# Altium PCB MT-PowerDispatch V1.0.0.PcbDoc (part 2 of 4)
Units mm, origin at the board's own origin, x right, y up, seen from the top; angles counter-clockwise.
Board outline 253.09 x 135 mm, 2 copper layers (Top Layer, Bottom Layer); 539 components, 347 nets, 1633 pads, 620 vias.
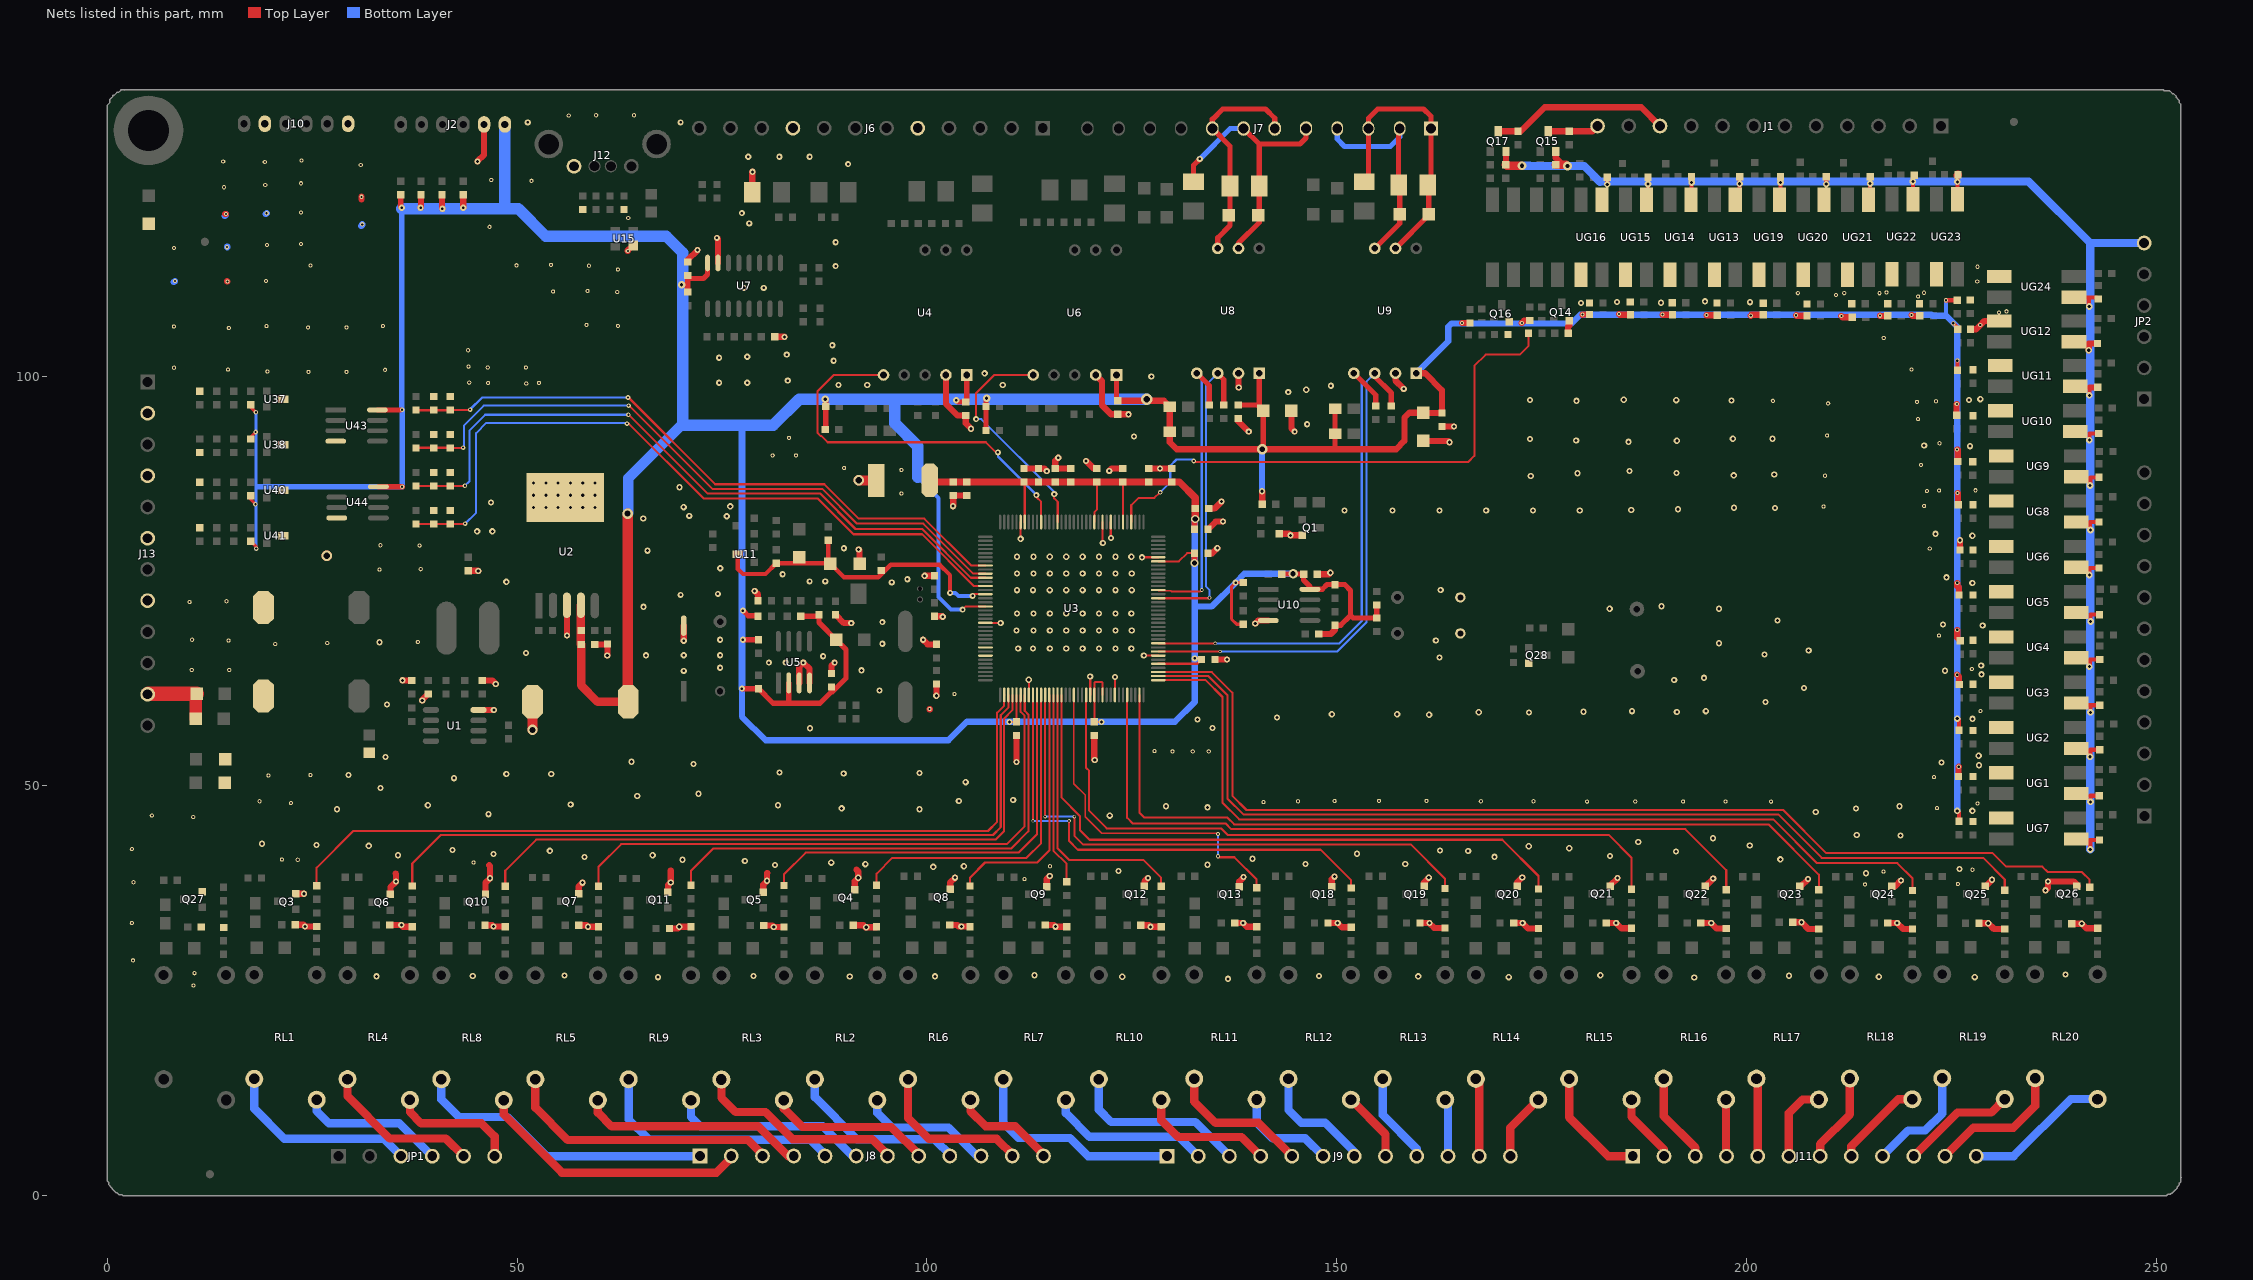
[diagram p2: the nets of this part, all layers, seen from the top]

## Via types
v1: diameter 0.762, hole 0.381, Top Layer to Bottom Layer, 340 vias
v2: diameter 0.762, hole 0.305, Top Layer to Bottom Layer, 95 vias
v3: diameter 0.508, hole 0.254, Top Layer to Bottom Layer, 48 vias
v4: diameter 0.559, hole 0.254, Top Layer to Bottom Layer, 41 vias
v5: diameter 0.406, hole 0.254, Top Layer to Bottom Layer, 24 vias
v6: diameter 0.813, hole 0.381, Top Layer to Bottom Layer, 23 vias
v7: diameter 1.27, hole 0.762, Top Layer to Bottom Layer, 9 vias
v8: diameter 0.457, hole 0.254, Top Layer to Bottom Layer, 9 vias
v9: diameter 0.508, hole 0.305, Top Layer to Bottom Layer, 6 vias
v10: diameter 0.61, hole 0.254, Top Layer to Bottom Layer, 5 vias
v11: diameter 1.016, hole 0.635, Top Layer to Bottom Layer, 3 vias
v12: diameter 0.914, hole 0.406, Top Layer to Bottom Layer, 3 vias
v13: diameter 1.067, hole 0.508, Top Layer to Bottom Layer, 2 vias
v14: diameter 0.61, hole 0.305, Top Layer to Bottom Layer, 2 vias
v15: diameter 1.27, hole 0.711, Top Layer to Bottom Layer, 2 vias
v16: diameter 1.016, hole 0.508, Top Layer to Bottom Layer, 1 vias
v17: diameter 0.559, hole 0.381, Top Layer to Bottom Layer, 1 vias
v18: diameter 0.864, hole 0.381, Top Layer to Bottom Layer, 1 vias
v19: diameter 1.321, hole 0.66, Top Layer to Bottom Layer, 1 vias
v20: diameter 1.397, hole 0.762, Top Layer to Bottom Layer, 1 vias
v21: diameter 1.143, hole 0.635, Top Layer to Bottom Layer, 1 vias
v22: diameter 1.2, hole 0.8, Top Layer to Bottom Layer, 1 vias
v23: diameter 0.92, hole 0.45, Top Layer to Bottom Layer, 1 vias

## Nets (pads, with @x,y where several pads share a name; then routed paths per layer and width w, separated by ;. In a path a pad name is that pad's centre, name@x,y a point inside that pad or via, vN(x,y) a via of type N, cw(c..) or ccw(c..) an arc to the next point about the centre after c; other vN are vias at no path point)
12VD: C61.1 C63.1 C71.2 C76.2 C77.2 C80.1 C82.1 C94.2 C97.2 C99.2 C101.2 C104.2 C114.2 C116.2 C118.2 C121.2 C132.2 C134.2 C136.2 C138.2 C150.2 C151.2 JP2.6 Q15.3 Q17.3 R179.2 R186.2 UG1.1 UG2.1 UG3.1 UG4.1 UG5.1 UG6.1 UG7.1 UG8.1 UG9.1 UG10.1 UG11.1 UG12.1 UG13.1 UG14.1 UG15.1 UG16.1 UG19.1 UG20.1 UG21.1 UG22.1 UG23.1 UG24.1 | length 210.1
  Top Layer w0.5: v6(183.02,123.419) C118.2@183.02,124.282 ; UG15.1@187.799,121.554 187.998,121.754 v6(187.998,123.469) ; UG14.1@193.217,121.554 193.312,121.649 v6(193.312,123.647) ; UG13.1@198.636,121.554 199.174,122.092 v6(199.174,123.495) C121.2@199.174,124.358 ; UG19.1@204.055,121.554 204.153,121.652 v6(204.153,123.647) ; v6(209.74,123.444) C134.2@209.74,124.358 ; UG21.1@214.893,121.554 215.1,121.761 v6(215.1,123.52) ; UG22.1@220.312,121.605 v6@220.312,123.774 ; UG23.1@225.748,121.605 v6(225.748,123.723) C150.2@225.748,124.516 ; UG24.1@239.975,109.634 241.783,109.634 ; UG3.1@240.229,60.121 240.495,59.855 241.986,59.855 ; v6(241.833,108.509) 241.783,108.56 241.783,109.634 ; v6(241.859,64.567) 241.91,64.618 241.91,65.443 C82.1@243.103,65.443 ; v6(241.859,75.743) 241.884,75.743 241.884,76.594 C99.2@243.027,76.594 ; v6(241.859,92.202) 241.808,92.202 241.859,92.253 241.859,93.002 C71.2@243.002,93.002 ; v6(241.935,53.569) 241.96,53.594 241.96,54.419 C63.1@243.103,54.419 ; v6(241.935,86.665) 241.935,86.639 241.96,86.665 241.96,87.668 C94.2@243.027,87.668 ; v6(241.96,42.24) 241.96,43.269 241.833,43.396 C104.2@243.078,43.396 ; v6(241.986,48.057) 241.986,48.679 241.91,48.755 241.96,48.806 C61.1@243.053,48.806 ; v6(241.986,58.979) 241.986,59.855 ; v6(241.986,81.229) 241.986,81.382 241.935,81.432 241.935,82.207 C77.2@243.027,82.207 ; v6(242.011,70.079) 242.011,70.904 C97.2@243.078,70.904 ; C151.2@242.926,109.436 242.727,109.634 241.783,109.634 ; C80.1@243.103,59.855 241.986,59.855
  Top Layer w0.508: v6(241.859,97.663) 241.859,98.59 241.91,98.641
  Top Layer w0.762: R186.2@170.643,125.819 170.668,125.844 Q17.3@170.668,127.406 ; Q15.3@176.739,127.406 176.739,126.644 177.564,125.819 ; v6(241.783,103.175) 241.783,104 C101.2@242.849,104 ; 241.91,98.641 C76.2@242.875,98.641
  Top Layer w1: R186.2@170.643,125.819 170.783,125.679 v13(172.618,125.679) ; R179.2@176.739,125.819 177.564,125.819 177.99,125.819 v13(178.156,125.654) ; C150.2@225.748,124.516 C150.2@225.819,124.587
  Bottom Layer w0.5: v6@187.985,123.774 187.998,123.761 v6(187.998,123.469) ; v6@241.964,48.035 v6(241.986,48.057)
  Bottom Layer w1: v13(172.618,125.679) 173.558,125.679 173.584,125.654 180.213,125.654 182.143,123.723 182.194,123.774 187.985,123.774 v6(220.32,123.774) 234.448,123.774 241.964,116.259 ; v6(241.96,42.24) 241.964,42.243 241.964,48.035 241.964,116.259 ; JP2.6@248.539,116.259 241.964,116.259
12VS: D1.1 D2.1 J13.11 | length 9.1
  Top Layer w1: D1.1@10.757,61.138 D1.1@10.884,61.265
  Top Layer w1.5: J13.11@4.902,61.189 J13.11@4.978,61.265 ; D2.1@10.757,58.217 D1.1@10.757,61.138
  Top Layer w1.8: J13.11@4.978,61.265 D1.1@10.884,61.265
485_CON1: U3.134 U4.5 | length 47.6
  Top Layer w0.254: U4.5@94.697,100.159 88.652,100.159 86.645,98.152 86.645,93.088 87.004,92.729 87.101,92.729 87.884,91.946 107.177,91.946 108.413,90.71 v2(108.667,90.71) ; v2(113.366,85.503) 113.366,85.249 113.934,84.681 U3.134@113.934,82.21
  Bottom Layer w0.254: v2(108.667,90.71) 108.667,90.202 v2(113.366,85.503)
485_CON2: U3.130 U6.5 | length 28.5
  Top Layer w0.254: v2(106,94.774) 106,97.949 108.21,100.159 U6.5@112.968,100.159 ; v2(115.525,85.63) 115.525,85.111 115.964,84.672 115.964,82.24 U3.130@115.934,82.21
  Bottom Layer w0.254: v2(106,94.774) 106.635,94.774 115.779,85.63 v2(115.525,85.63)
A1: J9.6 RL11.4 | length 12.6
  Bottom Layer w1.016: RL11.4@140.239,11.741 140.239,8.966 142.195,7.01 146.157,7.01 J9.6@148.342,4.826
A2: J9.8 RL12.4 | length 8.6
  Top Layer w1.016: RL12.4@151.745,11.716 155.962,7.5 J9.8@155.962,4.826
A3: J9.10 RL13.4 | length 7
  Bottom Layer w1.016: RL13.4@163.251,11.716 163.582,11.386 J9.10@163.582,4.826
A4: J9.12 RL14.4 | length 8.3
  Top Layer w1.016: J9.12@171.202,4.826 171.202,8.312 RL14.4@174.605,11.716
A5: J11.2 RL15.4 | length 8.5
  Top Layer w1.016: RL15.4@185.984,11.716 185.984,9.627 189.947,5.664 J11.2@189.947,4.826
A6: J11.4 RL16.4 | length 6.9
  Top Layer w1.016: J11.4@197.516,4.877 RL16.4@197.516,11.741
A7: J11.6 RL17.4 | length 9.6
  Top Layer w1.016: J11.6@205.187,4.826 205.187,10.084 206.844,11.741 RL17.4@208.844,11.741
A8: J11.8 RL18.4 | length 11
  Top Layer w1.016: J11.8@212.807,4.826 212.807,6.045 218.528,11.767 RL18.4@220.249,11.767
A9: J11.10 RL19.4 | length 14
  Top Layer w1.016: J11.10@220.427,4.826 225.761,10.16 229.894,10.16 RL19.4@231.527,11.792
A10: J11.12 RL20.4 | length 17.7
  Bottom Layer w1.016: J11.12@228.047,4.826 232.619,4.826 239.585,11.792 RL20.4@242.855,11.792
A12-RL: JP1.4 RL1.4 | length 17.8
  Bottom Layer w1.016: RL1.4@25.533,11.716 25.533,10.338 27.031,8.839 35.616,8.839 JP1.4@39.63,4.826
A12-switch: R77.1 U3.38 | length 103.4
  Top Layer w0.254: R77.1@25.533,37.814 25.533,40.03 30.003,44.501 107.448,44.501 108.565,45.618 108.565,58.953 109.416,59.804 109.416,61.092 U3.38@109.434,61.11
A24-RL: JP1.6 RL4.4 | length 15.5
  Top Layer w1.016: RL4.4@36.909,11.691 36.909,10.214 38.283,8.839 45.649,8.839 47.25,7.239 JP1.6@47.25,4.826
A24-switch: R80.1 U3.39 | length 92.9
  Top Layer w0.254: R80.1@37.191,37.789 37.191,40.538 40.671,44.018 108.057,44.018 109.01,44.971 109.01,58.636 109.934,59.56 U3.39@109.934,61.11
AAC-RL: J8.2 RL8.4 | length 33.5
  Top Layer w1.016: RL8.4@48.362,11.665 48.362,9.912 55.454,2.819 74.326,2.819 J8.2@76.333,4.826
AAC-switch: R102.1 U3.40 | length 81.8
  Top Layer w0.254: R102.1@48.545,37.764 48.545,39.675 52.33,43.459 108.362,43.459 109.416,44.514 109.416,58.229 110.434,59.247 U3.40@110.434,61.11
ADC1-RL: J8.4 RL5.4 | length 27.8
  Top Layer w1.016: RL5.4@59.84,11.665 59.84,10.143 61.524,8.458 79.431,8.458 83.064,4.826 J8.4@83.953,4.826
ADC1-switch: R98.1 U3.42 | length 72.6
  Top Layer w0.254: R98.1@59.924,37.764 59.924,40.132 62.693,42.901 109.734,42.901 111.918,45.085 111.918,58.572 111.434,59.057 U3.42@111.434,61.11
ADC2-switch: R123.1 U3.43 | length 61.7
  Top Layer w0.254: R123.1@71.202,37.891 71.202,39.624 73.945,42.367 110.267,42.367 112.375,44.475 112.375,58.725 111.934,59.166 U3.43@111.934,61.11
ADC2_RL: J8.6 RL9.4 | length 24.4
  Bottom Layer w1.016: RL9.4@71.216,11.665 71.216,9.612 72.37,8.458 87.305,8.458 90.938,4.826 J8.6@91.573,4.826
ADC_CC1: U3.30
ADC_CC2: U3.28
ADD1: R68.1 U3.55 | length 42.1
  Top Layer w0.203: U3.55@117.934,61.11 117.934,50.265 119.304,48.895 119.304,46.253 121.323,44.234 135.42,44.234 135.509,44.145 v3(135.534,44.145)
  Top Layer w0.254: v3(135.534,41.427) 135.56,41.427 135.681,41.306 137.516,41.306 140.239,38.583 R68.1@140.239,37.579
  Bottom Layer w0.254: v3(135.534,41.427) v3(135.534,44.145)
ADD2: R70.1 U3.45 | length 59.6
  Top Layer w0.254: v5(112.934,45.745) 112.934,58.445 U3.45@112.934,61.11 ; v5(117.354,45.745) 117.354,43.282 118.42,42.215 148.037,42.215 151.771,38.481 R70.1@151.771,37.554
  Bottom Layer w0.254: v5(112.934,45.745) v5(117.354,45.745)
ADD3: R69.1 U3.48 | length 69.4
  Top Layer w0.254: v5(114.433,46.253) U3.48@114.434,61.11 ; v5(117.989,46.253) 117.989,43.917 119.03,42.875 159.035,42.875 163.226,38.684 R69.1@163.226,37.478
  Bottom Layer w0.254: v5(114.433,46.253) v5(117.989,46.253)
ADD4: R133.1 U3.52 | length 77.3
  Top Layer w0.254: U3.52@116.434,61.11 116.434,48.57 118.674,46.33 118.674,44.602 119.843,43.434 170.211,43.434 174.631,39.014 R133.1@174.631,37.427
ADD5: R144.1 U3.58 | length 86.7
  Top Layer w0.254: U3.58@119.434,61.11 119.434,52.194 119.786,51.841 119.786,46.99 121.945,44.831 135.89,44.831 136.677,44.044 183.19,44.044 185.984,41.25 R144.1@185.984,37.401
ADD6: R146.1 U3.68 | length 93.1
  Top Layer w0.254: U3.68@124.434,61.11 124.434,46.107 125.126,45.415 136.449,45.415 137.135,44.729 192.538,44.729 197.541,39.726 R146.1@197.541,37.351
ADD7: R149.1 U3.71 | length 102.3
  Top Layer w0.254: U3.71@125.934,61.11 125.934,46.741 126.546,46.129 136.675,46.129 137.49,45.314 202.698,45.314 208.844,39.167 R149.1@208.844,37.325
ADD8: R156.1 U3.73 | length 111.1
  Top Layer w0.254: U3.73@128.234,62.91 134.016,62.91 136.073,60.853 136.073,47.955 138.105,45.923 203.282,45.923 208.616,40.589 218.42,40.589 220.274,38.735 R156.1@220.274,37.249
ADD9: R159.1 U3.74 | length 122.3
  Top Layer w0.254: U3.74@128.234,63.41 134.36,63.41 136.683,61.087 136.683,48.463 138.613,46.533 203.891,46.533 209.2,41.224 228.885,41.224 231.527,38.583 R159.1@231.527,37.274
ADD10: R162.1 U3.75 | length 132.4
  Top Layer w0.254: U3.75@128.234,63.91 128.242,63.902 134.757,63.902 137.267,61.392 137.267,48.793 138.994,47.066 204.501,47.066 209.759,41.808 230.053,41.808 231.704,40.157 236.118,40.157 236.779,39.497 240.944,39.497 241.884,38.557 R162.1@241.884,37.655
AGND: C42.2 C43.2 C44.2 L4.1 R58.1 U3.15 U11.2 | length 40.1
  Top Layer w0.254: v2(105.568,73.184) 105.568,73.387 105.591,73.41 U3.15@107.134,73.41
  Top Layer w0.508: U11.2@76.917,78.264 76.917,76.486 77.552,75.851 80.282,75.851 R58.1@81.616,77.184 L4.1@88.156,77.184 ; C42.2@87.839,79.978 C42.2@87.966,79.978 87.966,77.375 L4.1@88.156,77.184 ; v2(102.825,73.565) 102.825,75.724 101.555,76.994 95.586,76.994 94.062,75.47 89.871,75.47 L4.1@88.22,77.121 L4.1@88.156,77.184
  Bottom Layer w0.508: v2(102.825,73.565) 103.46,73.565 103.841,73.184 v2@105.492,73.184
B12-switch: R78.1 U3.46 | length 51.3
  Top Layer w0.254: R78.1@82.556,37.865 82.556,39.218 85.197,41.859 111.181,41.859 113.434,44.112 U3.46@113.434,61.11
B12_RL: J8.8 RL3.4 | length 20.1
  Top Layer w1.016: RL3.4@82.541,11.64 82.541,10.631 84.791,8.382 95.637,8.382 J8.8@99.193,4.826
B24-RL: J8.10 RL2.4 | length 16.6
  Bottom Layer w1.016: RL2.4@93.943,11.665 93.943,10.101 95.713,8.331 102.622,8.331 106.127,4.826 J8.10@106.813,4.826
B24-switch: R79.1 U3.47 | length 41.1
  Top Layer w0.254: R79.1@93.859,37.891 93.859,39.294 95.789,41.224 112.147,41.224 113.934,43.011 U3.47@113.934,61.11
BAC-switch: R99.1 U3.49 | length 31.1
  Top Layer w0.254: R99.1@105.263,37.789 105.263,38.837 107.092,40.665 113.467,40.665 114.934,42.132 U3.49@114.934,61.11
BAC_RL: J8.12 RL6.4 | length 12.8
  Top Layer w1.016: RL6.4@105.32,11.691 105.32,10.307 107.143,8.484 110.775,8.484 J8.12@114.433,4.826
BDC1-RL: J9.2 RL7.4 | length 19.9
  Bottom Layer w1.016: RL7.4@116.95,11.691 116.95,10.081 119.843,7.188 130.739,7.188 J9.2@133.102,4.826
BDC1-switch: R100.1 U3.50 | length 23.5
  Top Layer w0.254: U3.50@115.434,61.11 115.434,42.103 117.049,40.488 R100.1@117.049,38.297
BDC2-switch: R124.1 U3.51 | length 33.9
  Top Layer w0.254: U3.51@115.934,61.11 115.934,42.415 117.404,40.945 126.447,40.945 128.58,38.811 R124.1@128.58,37.764
BDC2_RL: J9.4 RL10.4 | length 16.4
  Top Layer w1.016: RL10.4@128.606,11.691 128.606,9.195 130.638,7.163 138.385,7.163 J9.4@140.722,4.826
CAN_RD1: R56.2 U3.82 U9.4 | length 61.7
  Top Layer w0.254: U3.82@128.234,67.41 v5@135.183,67.41
  Top Layer w0.635: U9.4@152.101,100.362 154.768,97.695 R56.2@154.768,96.361
  Bottom Layer w0.254: v5(135.184,67.412) 150.348,67.412 153.066,70.129 153.066,99.397 U9.4@152.101,100.362
CAN_RD2: R41.2 U3.95 U8.4 | length 36.6
  Top Layer w0.2: U3.95@128.234,73.91 128.303,73.841 129.74,73.841 129.845,73.736 133.356,73.736 v8@133.529,73.91
  Top Layer w0.635: U8.4@132.941,100.362 134.448,98.855 R41.2@134.448,96.488
  Bottom Layer w0.254: U8.4@132.941,100.362 133.533,99.769 v8(133.533,73.914)
CAN_TD1: R51.2 U3.80 U9.3 | length 62.5
  Top Layer w0.254: U3.80@128.234,66.41 v5(135.781,66.41)
  Top Layer w0.635: U9.3@154.641,100.362 154.641,99.981 156.673,97.949 R51.2@156.673,96.361
  Bottom Layer w0.254: v5(135.781,66.41) 150.083,66.41 153.625,69.952 153.625,99.346 U9.3@154.641,100.362
CAN_TD2: R38.2 U3.93 U8.3 | length 38.6
  Top Layer w0.254: U3.93@128.234,72.91 134.403,72.91 v8(134.468,72.974)
  Top Layer w0.635: U8.3@135.481,100.362 136.226,99.617 R38.2@136.226,96.488
  Bottom Layer w0.254: v8(134.468,72.974) 134.468,73.939 134.041,74.366 134.041,98.923 U8.3@135.481,100.362
CANH1: J7.6 J7.8 R39.2 TVS7.1 U8.6 | length 27.1
  Top Layer w0.635: U8.6@135.481,115.602 135.481,116.889 136.988,118.396 TVS7.1@136.988,123.222 136.988,128.075 J7.8@134.829,130.234 134.829,131.35 136.099,132.62 141.306,132.62 142.449,131.477 J7.6@142.449,130.234
CANH2: J7.2 J7.4 R53.2 TVS11.1 U9.6 | length 26.8
  Top Layer w0.635: U9.6@154.641,115.602 157.689,118.65 R53.2@157.689,119.793 157.689,123.226 TVS11.1@157.56,123.355 157.56,130.105 J7.2@157.689,130.234
  Bottom Layer w0.635: J7.4@150.069,130.234 150.069,128.937 150.958,128.048 156.546,128.048 157.689,129.191 J7.2@157.689,130.234
CANL1: J7.5 J7.7 R39.1 TVS5.2 TVS7.2 U8.7 | length 33.6
  Top Layer w0.635: TVS5.2@132.536,123.728 132.536,125.756 v2(133.305,126.524) ; U8.7@138.021,115.602 138.021,116.254 140.544,118.777 TVS7.2@140.544,123.222 140.544,128.329 ; J7.7@138.639,130.234 140.544,128.329 ; J7.5@146.259,130.234 146.259,129.064 145.524,128.329 140.544,128.329
  Bottom Layer w0.635: v2(133.305,126.524) 137.015,130.234 J7.7@138.639,130.234
CANL2: J7.1 J7.3 R53.1 TVS10.2 TVS11.2 U9.7 | length 34.5
  Top Layer w0.635: TVS10.2@153.358,123.726 153.364,123.728 153.879,124.242 J7.3@153.879,130.234 153.879,131.477 155.022,132.62 160.61,132.62 161.499,131.731 J7.1@161.499,130.234 161.499,123.739 TVS11.2@161.116,123.355 161.245,123.226 R53.1@161.245,119.793 161.245,119.666 U9.7@157.181,115.602
CON-C: C141.2 R199.1 R200.2 U3.8 | length 78.6
  Top Layer w0.254: C141.2@41.834,95.872 44.183,95.872 v4(44.247,95.936) ; v4(63.525,97.409) 63.576,97.409 74.168,86.817 87.478,86.817 91.669,82.626 99.695,82.626 105.411,76.91 U3.8@107.134,76.91
  Top Layer w0.3: R199.1@37.643,95.872 C141.2@41.834,95.872
  Bottom Layer w0.254: v4(44.247,95.936) 45.72,97.409 v4(63.525,97.409)
CON-D: C143.2 R204.1 R205.2 U3.10 | length 81.7
  Top Layer w0.254: C143.2@41.834,91.249 43.37,91.249 v4(43.409,91.288) ; v4(63.602,96.418) 63.652,96.418 73.812,86.258 87.224,86.258 91.465,82.017 99.556,82.017 105.663,75.91 U3.10@107.134,75.91
  Top Layer w0.3: R204.1@37.643,91.249 R205.2@39.827,91.249 C143.2@41.834,91.249
  Bottom Layer w0.254: v4(43.409,91.288) 43.485,91.364 43.485,93.98 45.923,96.418 v4(63.602,96.418)
CON-E: C144.2 R209.1 R210.2 U3.11 | length 84.9
  Top Layer w0.254: R209.1@37.643,86.61 R210.2@39.827,86.61 43.582,86.61 v4(43.612,86.639) ; v4(63.576,95.301) 63.602,95.301 73.203,85.7 86.944,85.7 91.288,81.356 99.416,81.356 105.362,75.41 U3.11@107.134,75.41
  Bottom Layer w0.254: v4(43.612,86.639) 44.196,87.224 44.196,93.396 46.101,95.301 v4(63.576,95.301)
CON-F: C145.2 R214.1 R215.2 U3.13 | length 88.5
  Top Layer w0.254: R214.1@37.643,81.978 R215.2@39.827,81.978 43.421,81.978 43.459,82.017 v4(43.637,82.017) ; v4(63.398,94.209) 63.627,94.209 72.733,85.103 86.652,85.103 91.034,80.721 99.416,80.721 105.727,74.41 U3.13@107.134,74.41
  Bottom Layer w0.254: v4(43.637,82.017) 44.983,83.363 44.983,93.066 46.228,94.31 63.297,94.31 v4(63.398,94.209)
DC12V-1: JP1.3 RL1.3 | length 23.9
  Bottom Layer w1.016: RL1.3@17.913,14.256 17.913,10.617 21.57,6.96 33.686,6.96 JP1.3@35.82,4.826
DC12V-2: JP1.5 RL4.3 | length 19.3
  Top Layer w1.016: RL4.3@29.289,14.231 29.289,12.141 34.445,6.985 41.281,6.985 JP1.5@43.44,4.826
DC12V-3: J8.1 RL8.3 | length 37.1
  Bottom Layer w1.016: RL8.3@40.742,14.205 40.742,11.74 42.881,9.601 48.799,9.601 53.574,4.826 J8.1@72.523,4.826
DC12V-4: J8.3 RL5.3 | length 33.8
  Top Layer w1.016: RL5.3@52.22,14.205 52.22,10.753 56.165,6.807 78.161,6.807 J8.3@80.143,4.826
DC12V-5: J8.5 RL9.3 | length 30.9
  Bottom Layer w1.016: RL9.3@63.596,14.205 63.596,9.308 66.071,6.833 85.756,6.833 J8.5@87.763,4.826
DC12V-6: J8.7 RL3.3 | length 25.6
  Top Layer w1.016: RL3.3@74.921,14.18 74.921,11.952 76.663,10.211 80.295,10.211 83.597,6.909 93.3,6.909 J8.7@95.383,4.826
DC12V-7: J8.9 RL2.3 | length 21.8
  Bottom Layer w1.016: RL2.3@86.323,14.205 86.323,12.031 91.471,6.883 100.945,6.883 J8.9@103.003,4.826
DC12V-8: J8.11 RL6.3 | length 19.6
  Top Layer w1.016: RL6.3@97.7,14.231 97.7,9.469 100.234,6.934 108.514,6.934 J8.11@110.623,4.826
DC12V-9: J9.1 RL7.3 | length 27
  Bottom Layer w1.016: RL7.3@109.33,14.231 109.33,8.862 111.156,7.036 117.455,7.036 119.665,4.826 J9.1@129.292,4.826
DC12V-10: J9.3 RL10.3 | length 22
  Bottom Layer w1.016: RL10.3@120.986,14.231 120.986,10.49 122.484,8.992 132.746,8.992 J9.3@136.912,4.826
DC12V-11: J9.5 RL11.3 | length 17.5
  Top Layer w1.016: RL11.3@132.619,14.281 132.619,11.506 135.235,8.89 140.468,8.89 J9.5@144.532,4.826
DC12V-12: J9.7 RL12.3 | length 14.5
  Bottom Layer w1.016: RL12.3@144.125,14.256 144.125,10.465 145.675,8.915 148.57,8.915 152.152,5.334 J9.7@152.152,4.826
DC12V-13: J9.9 RL13.3 | length 11.1
  Bottom Layer w1.016: RL13.3@155.631,14.256 155.631,9.855 159.772,5.715 J9.9@159.772,4.826
DC12V-14: J9.11 RL14.3 | length 9.6
  Top Layer w1.016: RL14.3@166.985,14.256 167.392,13.85 J9.11@167.392,4.826
DC12V-15: J11.1 RL15.3 | length 14.4
  Top Layer w1.016: RL15.3@178.364,14.256 178.364,9.576 183.114,4.826 J11.1@186.137,4.826
DC12V-16: J11.3 RL16.3 | length 11.1
  Top Layer w1.016: RL16.3@189.896,14.281 189.896,9.728 193.757,5.867 J11.3@193.757,4.826
DC12V-17: J11.5 RL17.3 | length 9.5
  Top Layer w1.016: RL17.3@201.224,14.281 201.377,14.129 J11.5@201.377,4.826
DC12V-18: J11.7 RL18.3 | length 11
  Top Layer w1.016: J11.7@208.997,4.826 208.997,6.299 212.629,9.931 RL18.3@212.629,14.307
DC12V-19: J11.9 RL19.3 | length 13.7
  Bottom Layer w1.016: J11.9@216.617,4.826 219.741,7.95 221.824,7.95 223.907,10.033 RL19.3@223.907,14.332
DC12V-20: J11.11 RL20.3 | length 16.9
  Top Layer w1.016: J11.11@224.237,4.826 227.717,8.306 232.593,8.306 235.235,10.947 RL20.3@235.235,14.332
DGND: C1.2 C2.2 C3.2 C4.2 C5.2 C6.2 C7.2 C8.2 C9.2 C10.2 C11.2 C12.1 C13.2 C14.2 C15.2 C16.2 C18.1 C19.1 C20.1 C22.2 C23.2 C25.2 C26.2 C27.1 C28.1 C33.1 C34.2 C35.2 C37.1 C39.2 C40.1 C41.2 C45.2 C46.2 C47.2 C48.2 C53.2 C54.1 C55.1 C62.2 C64.2 C65.2 C66.1 C67.2 C68.1 C70.1 C72.2 C75.1 C81.2 C83.2 C87.2 C88.2 C89.1 C90.1 C91.1 C92.2 C96.2 C98.2 C100.2 C102.2 C103.2 C105.2 C108.1 C109.1 C115.2 C117.2 C119.2 C122.2 C123.1 C126.2 C129.1 C130.1 C133.2 C135.2 C137.2 C139.2 C140.1 C141.1 C142.1 C143.1 C144.1 C145.1 C146.1 C147.1 C149.1 C152.2 C153.2 C154.1 DC1.2 DC2.2 EC1.2 EC2.2 J2.5 J6.5 J6.9 J10.2 J10.6 J12.4 J13.2 J13.4 J13.6 J13.8 L2.2 L3.2 L4.2 pad.12 pad.13 pad.14 pad.15 pad.16 pad.17 pad.18 pad.19 pad.20 pad.21 pad.22 pad.23 pad.24 pad.25 pad.26 pad.27 pad.28 pad.29 pad.30 pad.31 pad.32 pad.33 pad.34 pad.35 pad.36 pad.37 pad.38 pad.39 pad.40 pad.41 pad.42 pad.43 pad.44 pad.45 pad.46 pad.47 pad.48 pad.49 pad.50 pad.51 pad.52 pad.53 pad.54 pad.55 pad.56 pad.57 pad.58 pad.59 pad.60 pad.61 pad.62 pad.63 pad.64 pad.65 pad.66 pad.67 pad.68 pad.69 pad.70 pad.71 pad.72 pad.73 pad.74 pad.75 pad.76 pad.77 pad.78 pad.79 pad.80 pad.81 pad.82 pad.83 pad.84 pad.85 pad.86 pad.87 pad.88 pad.89 pad.90 pad.91 pad.92 pad.93 pad.94 pad.95 pad.96 pad.97 pad.98 pad.99 pad.100 pad.101 pad.102 pad.103 pad.104 pad.105 pad.106 pad.107 pad.108 pad.109 pad.110 pad.111 pad.112 pad.113 pad.114 pad.115 pad.116 pad.117 pad.118 pad.119 pad.120 pad.121 pad.122 pad.123 pad.124 pad.125 pad.126 pad.127 pad.128 pad.129 pad.130 Q1.3 Q3.3 Q4.3 Q5.3 Q6.3 Q7.3 Q8.3 Q9.3 Q10.3 Q11.3 Q12.3 Q13.3 Q14.3 Q16.3 Q18.3 Q19.3 Q20.3 Q21.3 Q22.3 Q23.3 Q24.3 Q25.3 Q26.3 Q27.3 Q28.3 R5.2 R6.1 R7.2 R33.1 R73.1 R74.1 R75.1 R82.1 R83.1 R84.1 R85.1 R97.1 R106.1 R107.1 R108.1 R111.1 R125.1 R126.1 R134.1 R136.1 R145.1 R157.1 R160.1 R163.1 R178.1 R185.1 R200.1 R205.1 R210.1 R215.1 R218.1 R219.1 R223.1 SW2.1 SW3.2 SW4.1 TVS6.1 U1.4 U2.3 U2.6 U3.22 U3.44 U3.59 U3.65 U3.79 U3.103 U3.117 U3.119 U3.139 U4.2 U5.3 U5.4 U6.2 U7.15 U8.2 U9.2 U10.4 U15.1 U37.2 U38.2 U40.2 U41.2 U43.4 U44.4 UG1.3 UG2.3 UG3.3 UG4.3 UG5.3 UG6.3 UG7.3 UG8.3 UG9.3 UG10.3 UG11.3 UG12.3 UG13.3 UG14.3 UG15.3 UG16.3 UG19.3 UG20.3 UG21.3 UG22.3 UG23.3 UG24.3 | length 243.4
  Top Layer w0.254: U3.22@107.134,69.91 108.988,69.91 v1(108.997,69.901) ; U3.139@111.434,82.21 111.434,80.164 v1(111.435,80.162) ; v1(112.426,62.967) 112.434,62.959 U3.44@112.434,61.11 ; v1(119.919,63.373) 119.934,63.358 U3.59@119.934,61.11 ; U3.119@121.434,82.21 121.434,79.689 v1(121.468,79.654) ; U3.117@122.434,82.21 122.434,80.289 v1(122.459,80.264) ; U3.65@122.934,61.11 122.934,63.289 v1(122.942,63.297) ; v1(126.244,77.902) 126.252,77.91 U3.103@128.234,77.91 ; v1(126.472,65.913) 126.475,65.91 U3.79@128.234,65.91
  Top Layer w0.381: UG7.3@230.684,45.638 231.11,46.064 UG7.3@231.136,46.09
  Top Layer w0.762: v3@14.351,119.812 14.376,119.786 v3(14.453,119.786) ; v3@14.58,111.582 14.605,111.557 v3(14.656,111.557) ; R83.1@22.929,33.052 23.926,33.052 v1(24.116,32.861) C65.2@25.533,32.861 ; Q3.3@22.984,36.849 23.977,36.849 v1(23.983,36.855) ; 31.013,121.59 v3(31.013,121.895) ; R84.1@34.461,33.027 v1(35.864,33.027) 36.054,32.836 C66.1@37.191,32.836 ; Q6.3@34.524,36.76 34.524,37.649 v1(35.21,38.335) 35.21,39.263 35.154,39.319 ; v1(35.997,62.89) 36.004,62.884 R7.2@37.115,62.884 ; v1(38.41,60.427) 38.41,60.497 C19.1@39.147,61.233 ; C20.1@44.024,76.263 45.205,76.263 v1(45.243,76.225) ; v1(45.141,126.213) 45.954,127.025 J2.5@45.954,130.734 ; U1.4@45.243,59.265 47.141,59.265 v1(47.148,59.258) ; R5.2@45.751,62.884 46.951,62.884 v1(47.377,62.459) ; R111.1@46.069,33.001 46.964,33.001 v1(47.123,32.842) 48.513,32.842 C91.1@48.545,32.811 ; Q10.3@46.132,36.811 46.132,38.183 v1(46.691,38.742) 46.691,40.228 46.584,40.335 ; v1(56.063,68.377) 56.063,72.055 U2.3@56.067,72.059 ; R107.1@57.511,33.001 58.47,33.001 v1(58.654,32.817) 59.918,32.817 C88.2@59.924,32.811 ; Q7.3@57.511,36.862 57.511,37.744 v1(57.968,38.202) ; C22.2@59.454,67.259 60.953,67.259 R6.1@61.016,67.323 61.016,65.938 v1(60.991,65.913) ; v3(63.5,115.291) 63.475,115.291 63.449,115.316 64.084,115.951 U15.1@64.16,115.951 ; Q11.3@68.399,37.053 68.399,37.888 v1(68.738,38.227) 68.738,39.68 68.758,39.7 ; R125.1@68.598,32.62 69.583,32.62 v1(69.779,32.817) 71.196,32.817 C108.1@71.202,32.811 ; v2(70.313,67.723) SW3.2@70.313,69.56 ; C33.1@70.821,113.951 70.821,114.198 v1(72.015,115.392) ; v2(74.377,116.872) 74.504,116.745 U7.15@74.504,113.824 ; TVS6.1@78.695,122.46 78.695,124.917 v1(78.72,124.943) ; v1(78.974,73.787) 79.393,73.368 C27.1@79.393,72.608 ; Q5.3@80.016,37.04 80.016,37.948 v1(80.498,38.43) 80.498,39.35 80.543,39.395 ; R82.1@80.079,32.976 81.127,32.976 v1(81.311,32.791) 82.549,32.791 C68.1@82.556,32.785 ; C37.1@81.425,104.807 82.625,104.807 v1(82.632,104.8) ; U5.3@84.41,62.575 84.41,64.548 v2(84.918,65.056) 85.68,64.294 U5.4@85.68,62.575 ; C25.2@88.347,63.722 88.347,64.675 v2(88.728,65.056) ; C28.1@88.855,70.894 89.866,69.882 v2(90.76,69.882) ; R85.1@91.001,33.001 92.252,33.001 92.487,32.766 93.814,32.766 C67.2@93.859,32.811 ; Q4.3@91.192,37.319 91.192,38.37 v1(91.623,38.802) 91.623,39.568 91.415,39.776 ; v1(91.669,78.867) 91.776,78.76 L4.2@91.776,77.121 ; v2(99.523,67.85) 100.094,67.278 C46.2@101.174,67.278 ; v1(99.726,75.641) 99.745,75.66 C45.2@100.92,75.66 ; pad.40@100.33,59.385 100.33,59.36 pad.40@100.355,59.334 ; C47.2@100.92,70.707 101.872,70.707 v2(101.936,70.644) ; v1(101.148,61.011) 101.174,61.036 C48.2@101.174,62.452 ; U4.2@102.317,100.159 102.317,96.622 103.72,95.218 C23.2@104.73,95.218 104.73,94.259 v1(105.39,93.599) ; R106.1@102.787,33.027 103.733,33.027 103.892,32.868 105.232,32.868 C90.1@105.263,32.836 ; Q8.3@102.85,37.395 102.85,38.227 v1(103.434,38.811) ; v1(103.18,84.15) 103.206,84.176 C1.2@103.206,85.439 C2.2@104.857,85.439 ; v1(110.927,52.934) C8.2@110.927,56.172 ; C3.2@111.842,88.741 C5.2@113.62,88.741 114.318,88.741 v2(114.636,88.424) ; R108.1@114.445,33.027 115.493,33.027 v1(115.683,32.836) C89.1@117.049,32.836 ; Q9.3@114.636,37.726 114.636,38.659 v1(114.991,39.014) ; v2(116.033,90.068) 115.652,89.687 C6.2@115.652,88.741 C7.2@117.557,88.741 ; v1(119.411,89.662) 120.332,88.741 C13.2@120.732,88.741 ; C9.2@120.427,56.172 120.427,53.213 v1(120.478,53.162) ; U6.2@120.588,100.159 121.367,99.38 121.367,96.444 122.459,95.352 v1(124.593,95.352) ; v2(122.256,88.443) 122.554,88.741 C12.1@123.907,88.741 ; R126.1@126.081,33.001 127.101,33.001 v1(127.291,32.811) C109.1@128.58,32.811 ; Q12.3@126.548,37.751 126.548,38.354 v1(126.98,38.786) ; C15.2@127.082,88.741 C16.2@129.876,88.741 ; C4.2@134.308,78.41 134.829,78.41 v1(135.438,79.019) ; C14.2@134.308,81.331 135.248,82.271 v1(136.124,82.271) ; C11.2@134.384,83.852 135.089,83.852 v1(135.946,84.709) ; C10.2@135.146,65.437 136.6,65.437 v1(136.607,65.43) ; R75.1@137.559,33.274 v1(138.588,33.274) 139.033,32.829 C53.2@140.239,32.829 ; C35.2@138.004,94.837 138.004,94.52 v2(139.274,93.25) ; U8.2@138.021,100.362 138.021,98.662 v1(138.055,98.628) ; Q13.3@138.086,37.717 138.086,38.335 v1(138.639,38.887) ; v1(140.061,69.825) 140.423,70.187 U10.4@141.661,70.187 ; R33.1@143.008,80.766 144.182,80.766 v1(144.36,80.588) Q1.3@145.81,80.588 ; C34.2@144.481,95.79 144.481,93.631 v2(144.862,93.25) ; C41.2@147.618,75.851 149.059,75.851 v1(149.231,76.022) ; R74.1@148.939,33.274 v1(150.12,33.274) 150.64,32.753 C54.1@151.796,32.753 ; Q18.3@149.415,37.717 149.415,38.614 v1(149.739,38.938) ; U9.2@157.181,100.362 157.181,99.473 v2(158.197,98.457) ; R134.1@160.165,33.274 v1(161.321,33.274) 161.918,32.677 C55.1@163.226,32.677 ; C39.2@160.546,92.105 163.622,92.105 v1(163.779,91.948) ; Q19.3@160.692,37.742 160.692,38.259 v1(161.245,38.811) ; C40.1@162.845,93.872 164.299,93.872 v1(164.318,93.853) ; R136.1@171.595,33.274 v1(172.7,33.274) 173.373,32.601 C75.1@174.631,32.601 ; Q20.3@172.046,37.768 172.046,38.233 v1(172.649,38.837) ; R178.1@178.276,105.258 178.237,105.296 178.237,106.045 178.388,106.195 Q14.3@178.388,106.801 ; R145.1@182.898,33.274 v1(184.105,33.274) 184.753,32.626 C126.2@185.984,32.626 ; Q21.3@183.4,37.793 183.4,37.878 v1(184.283,38.76) ; R97.1@194.43,33.274 v1(195.713,33.274) 196.386,32.601 C70.1@197.541,32.601 ; Q22.3@195.008,37.768 195.941,38.701 v1(195.941,38.71) ; R73.1@205.657,33.376 v1(206.736,33.376) 207.562,32.55 C123.1@208.844,32.55 ; Q23.3@206.489,37.768 206.658,37.768 v1(207.524,38.633) ; R157.1@217.265,33.274 v1(218.395,33.274) 219.119,32.55 C122.2@220.274,32.55 ; Q24.3@217.766,37.768 218.139,37.768 v1(218.852,38.481) ; C102.2@227.355,105.727 228.028,105.727 v3(228.537,106.236) 229.046,106.745 UG12.3@230.831,106.745 ; R160.1@228.39,33.249 v1(229.52,33.249) 230.219,32.55 C130.1@231.527,32.55 ; Q25.3@229.12,37.768 229.188,37.768 v1(229.977,38.557) ; v1(236.499,37.262) 236.804,37.567 v1(236.804,38.354) 239.928,38.354 240.296,37.986 Q26.3@240.296,37.793 Q26.3@240.44,37.793 ; R163.1@239.693,33.198 v1(240.925,33.198) 241.496,32.626 C129.1@242.88,32.626
  Top Layer w1.27: v7(26.752,78.105) v7@26.778,78.131 ; v7@51.872,56.846 EC2.2@51.872,60.275 ; v7(91.674,87.3) 91.693,87.281 EC1.2@93.808,87.281
  Bottom Layer w0.762: v3@8.103,111.506 8.128,111.506 v3(8.23,111.608) ; 14.326,119.558 14.453,119.685 v3(14.453,119.786) ; v3(14.605,115.748) v3@14.605,115.824 ; v3@19.304,119.812 19.355,119.812 v3(19.431,119.888) ; v3@30.963,118.339 31.09,118.466 v3(31.09,118.542)
  other v1: 136.734,26.467 193.63,26.619 67.189,26.67 170.998,26.67 227.869,26.67 123.831,26.721 216.16,26.721 90.582,26.746 32.822,26.772 100.971,26.772 159.949,26.772 44.583,26.822 78.822,26.822 147.859,26.822 205.187,26.848 55.759,26.873 113.112,26.899 182.174,26.899 238.943,27 92.589,32.766 104.196,32.868 214.61,39.345 123.373,39.624 226.015,39.878 100.767,40.132 104.501,40.208 81.463,40.361 134.245,40.386 92.487,40.462 146.208,40.488 158.375,40.488 88.321,40.64 77.78,40.843 70.16,40.996 204.145,41.046 139.731,41.123 58.222,41.326 169.271,41.351 183.368,41.453 35.464,41.554 66.528,41.554 47.097,41.707 152.482,41.732 191.395,42.012 166.045,42.062 53.981,42.088 162.616,42.113 42.093,42.189 178.39,42.399 173.437,42.647 31.883,42.697 200.412,42.748 25.502,42.799 18.872,42.951 186.797,43.155 195.916,43.618 218.796,43.967 213.467,44.018 122.307,46.38 46.488,46.558 208.463,46.812 227.574,46.965 28.022,47.168 99.091,47.168 213.36,47.244 89.591,47.269 134.239,47.396 129.159,47.523 218.694,47.523 39.096,47.65 81.819,47.65 56.521,47.727 103.892,48.158 110.521,48.285 64.649,48.768 72.116,49.047 33.305,49.759 104.724,50.47 42.297,50.952 29.419,51.333 48.672,51.46 54.158,51.46 89.84,51.537 99.085,51.587 82.017,51.638 228.371,52.527 71.526,52.68 223.799,52.857 63.963,52.959 33.915,53.543 228.346,53.696 85.731,57.048 134.854,57.074 133.02,58.115 227.584,58.191 142.728,58.344 161.29,58.699 149.408,58.75 157.384,58.75 173.462,58.953 167.335,59.004 191.516,59.03 180.137,59.055 186.035,59.131 195.052,59.131 34.118,59.944 202.317,60.249 94.214,61.646 207.041,61.951 191.186,62.941 194.818,63.195 228.676,63.627 224.231,64.059 92.03,64.11 228.651,64.694 162.535,65.684 65.715,65.938 202.215,66.04 51.085,66.243 207.6,66.523 111.131,66.783 112.959,66.783 115,66.783 117,66.783 119,66.783 121,66.783 123,66.783 124.948,66.783 196.672,67.412 33.198,67.539 162.103,67.767 110.927,68.976 113,68.976 115,68.976 117,68.976 119,68.976 121,68.976 123,68.976 125,68.976 228.829,69.571 223.977,69.698 203.784,70.206 111,71.05 113,71.05 115,71.05 117,71.05 119,71.05 121,71.05 123,71.05 124.948,71.05 183.312,71.628 196.672,71.628 65.411,71.863 189.642,71.933 111,73.895 112.959,73.895 114.991,73.895 117,73.895 119,73.895 121,73.895 123,73.895 125,73.895 162.693,73.914 227.574,74.778 48.672,74.911 224.434,75.463 111,75.927 113,75.927 115,75.927 117,75.927 119,75.927 121,75.927 123,75.927 125,75.927 111,77.976 113,77.976 114.991,77.976 117,77.976 119,77.976 121,77.976 123,77.976 124.948,77.976 65.913,78.715 227.574,80.543 223.088,80.772 45.116,81.077 46.965,81.077 65.38,82.626 150.952,83.617 156.825,83.617 162.534,83.617 168.243,83.617 173.951,83.617 179.66,83.617 185.953,83.668 191.643,83.769 203.479,83.922 198.501,83.947 52,83.976 53.5,83.976 55,83.976 56.5,83.976 58,83.976 59.5,83.976 70.313,84.023 75.997,84.125 46.812,84.582 52,85.476 53.5,85.476 55,85.476 56.5,85.476 58,85.476 59.5,85.476 69.805,86.462 52,86.976 53.5,86.976 55,86.976 56.5,86.976 58,86.976 59.5,86.976 173.685,87.833 198.45,87.909 203.403,88.011 179.375,88.163 191.465,88.189 185.725,88.443 128.428,88.748 227.279,91.465 221.691,91.542 185.623,91.999 191.516,92.126 179.222,92.151 173.584,92.354 198.349,92.38 203.175,92.38 125.278,92.659 179.273,97.003 198.196,97.053 191.445,97.079 173.584,97.104 227.178,97.104 185.039,97.13 228.549,97.206 146.284,98.349 89.21,98.933 92.716,98.933 109.251,98.933 127.387,99.974 107.041,100.355 179.807,108.941 189.586,108.966 200.431,109.042 184.201,109.068 194.945,109.144
  other v2: 70.313,64.04 74.758,64.421 80.727,65.056 82.759,65.056 87.331,65.818 70.313,65.945 74.758,65.945 94.57,67.342 74.758,67.85 94.57,70.009 69.932,73.311 74.504,73.438 95.713,74.835 85.68,74.962 87.585,74.962 97.618,75.216 82.378,75.851 74.778,76.556 89.865,79.019 75.565,82.906 70.993,82.956 146.386,94.139 144.1,98.076 149.307,98.838 74.631,99.219 78.06,99.219 83.013,99.473 88.601,101.886 74.631,102.267 78.06,102.394 82.886,102.648 88.474,103.791 77.679,110.776 80.092,110.776 88.855,113.443 88.855,116.364 78.314,118.65 77.425,119.92 90.379,125.889 78.187,126.778 81.997,126.778 85.68,126.778 51.288,130.969 69.932,130.969
  other v3: 227.965,86.081 220.142,100.838 230.81,107.772 210.922,109.931 216.23,110.134 221.666,110.185 228.168,111.557 19.355,111.608 228.194,113.36 24.79,113.513 8.103,115.646 19.456,116.002 23.622,116.129 63.551,119.329 23.597,119.99 14.224,123.063 19.253,123.342 23.622,123.546 30.912,125.781 19.202,126.136 14.122,126.213 23.673,126.314
  other v7: 51.872,56.845
DP3V3: C1.1 C2.1 C3.1 C4.1 C5.1 C6.1 C7.1 C8.1 C9.1 C10.1 C11.1 C12.2 C13.1 C14.1 C15.1 C16.1 C22.1 C23.1 C24.1 C25.1 C26.1 C32.2 C33.2 C34.1 C35.1 C39.1 C40.2 C41.1 D7.1 D8.1 D9.1 D10.1 D11.1 EC1.1 EC2.1 J2.6 R3.2 R8.2 R9.2 R15.2 R16.2 R18.2 R19.1 R20.1 R21.1 R22.2 R23.2 R26.2 R30.2 R31.2 R47.1 R48.1 R49.1 R50.1 R52.1 R54.1 R59.2 R66.1 R67.1 R76.1 R86.1 R87.1 R91.1 R92.1 R104.1 R113.1 R114.1 R115.1 R120.1 R130.1 R137.2 R148.1 R150.1 R151.1 R176.1 R182.1 R189.1 R191.1 R193.1 R195.1 R196.2 R201.2 R206.2 R211.2 R225.1 R227.1 U2.4 U3.18 U3.41 U3.60 U3.62 U3.77 U3.102 U3.114 U3.121 U3.138 U4.1 U5.2 U6.1 U7.16 U8.1 U9.1 U10.8 U43.8 U44.8 | length 829.7
  Top Layer w0.254: v2(104.349,71.533) 104.696,71.88 107.104,71.88 U3.18@107.134,71.91 ; v1(110.077,57.823) C8.1@110.927,57.823 ; C8.1@110.934,57.83 U3.41@110.934,61.11 ; C9.1@120.427,57.823 v1(121.303,57.823) ; C9.1@120.434,57.906 U3.60@120.434,61.11 120.434,62.592 120.545,62.703 121.307,62.703 121.434,62.576 U3.62@121.434,61.11 ; U3.121@120.434,82.21 120.434,83.427 120.732,83.725 C13.1@120.732,87.09 ; C12.2@123.907,87.09 123.934,87.063 U3.114@123.934,82.21 ; U3.102@128.234,77.41 130.75,77.41 131.75,78.41 C4.1@132.657,78.41
  Top Layer w0.305: C3.1@111.842,87.09 111.934,86.998 U3.138@111.934,82.21 ; U3.77@128.234,64.91 132.968,64.91 C10.1@133.495,65.437 133.368,65.564 v2(132.67,65.564)
  Top Layer w0.381: R211.2@17.481,79.855 18.161,79.175 v4(18.161,78.969) ; R206.2@17.481,85.409 17.481,84.957 v4(18.059,84.379) ; R201.2@17.481,92.34 17.481,92.589 v4(18.085,93.193) ; R196.2@17.481,96.517 17.481,96.235 v4(18.11,95.606) ; R54.1@138.613,69.742 137.788,69.742 137.166,70.365 137.166,74.327 v2(137.661,74.822) R50.1@138.613,74.822
  Top Layer w0.508: v3(224.358,109.271) 224.358,109.245 224.384,109.22 224.447,109.283 R227.1@225.73,109.283 ; v9(225.273,106.451) 225.781,105.943 R76.1@225.781,105.727 ; v1(225.73,46.965) 225.933,46.761 R115.1@225.933,45.707 ; R104.1@225.755,100.724 v9(225.755,101.905) ; R67.1@225.933,56.807 225.933,58.115 v1@225.958,58.141
  Top Layer w0.635: U43.8@32.938,95.891 v4@35.732,95.891 ; U44.8@33.065,86.519 35.96,86.519 v4(35.966,86.512) ; R26.2@35.794,122.142 35.794,120.682 v2(35.921,120.555) ; v12(70.059,111.157) 70.821,111.157 ; C32.2@70.821,110.268 70.821,111.157 ; U7.16@73.234,113.824 73.234,112.427 72.726,111.919 70.948,111.919 70.821,111.792 70.821,111.157 ; v2(77.425,61.881) 77.429,61.877 C24.1@79.457,61.877 81.23,60.103 83.14,60.103 ; v2(77.552,67.85) 77.556,67.846 R18.2@79.457,67.846 ; v2(77.552,71.406) 78.187,70.771 79.325,70.771 R20.1@79.393,70.703 ; U5.2@83.14,62.575 83.14,60.103 ; R19.1@84.6,70.703 86.632,70.703 R21.1@86.823,70.894 86.823,69.945 D9.1@88.918,67.85 90.125,66.643 90.125,63.151 88.474,61.5 88.347,61.5 86.95,60.103 83.14,60.103 ; R9.2@87.585,93.504 87.648,93.567 R8.2@87.648,96.298 87.648,97.123 v12(87.585,97.187) ; v2(103.587,97.06) 103.777,96.869 C23.1@104.73,96.869 104.857,96.996 U4.1@104.857,100.159 ; R23.2@107.206,93.377 R22.2@107.206,96.298 107.206,97.25 v12(107.27,97.314) ; U6.1@123.128,100.159 123.128,97.14 C26.1@123.272,96.996 ; C35.1@138.004,96.488 140.353,96.488 C34.1@140.561,96.281 ; U8.1@140.561,100.362 C34.1@140.561,96.281 ; v15(140.925,91.091) 141.052,91.218 C34.1@141.052,95.79 C34.1@140.561,96.281 ; R52.1@143.3,75.851 C41.1@145.967,75.851 145.967,75.12 146.741,74.346 U10.8@146.741,73.997 148.247,73.997 148.824,74.574 150.99,74.574 151.694,73.87 151.694,70.822 ; R48.1@149.789,69.615 150.488,69.615 151.694,70.822 ; 149.815,91.091 D10.1@149.815,96.044 ; R59.2@154.889,72.072 R15.2@154.889,70.498 152.018,70.498 151.694,70.822
  Top Layer w0.762: v2(38.207,120.555) 38.25,120.597 R137.2@38.25,122.142 ; R30.2@40.832,122.142 40.832,120.47 v2(40.874,120.428) ; v2(43.414,120.555) R31.2@43.414,122.142 ; C26.1@123.272,96.996 128.923,96.996 D7.1@129.622,96.298 D8.1@129.622,93.25 129.622,91.955 130.485,91.091 v15(140.925,91.091) 149.815,91.091 157.257,91.091 158.273,92.107 158.273,94.926 158.881,95.534 C39.1@160.546,95.534 160.556,95.523 C40.2@162.845,95.523 162.845,98.305 160.788,100.362 U9.1@159.721,100.362 ; v11@132.657,77.229 C4.1@132.657,78.41 ; C14.1@132.657,81.331 v11@132.657,82.486 ; R16.2@140.912,84.385 v1@140.912,85.947 ; R49.1@147.821,68.555 149.307,68.555 149.789,69.037 R48.1@149.789,69.615 ; v3(165.303,106.502) 165.316,106.489 R182.1@166.268,106.489 ; v3(172.593,106.502) 172.885,106.794 R176.1@173.564,106.794 ; v3(180.01,107.518) 180.035,107.544 R151.1@180.861,107.544 ; v3(184.455,107.594) 184.531,107.518 R150.1@185.864,107.518 ; v3(189.763,107.518) R148.1@190.97,107.518 ; v3(195.123,107.467) 195.123,107.442 R86.1@196.431,107.442 ; v3(200.533,107.391) 200.635,107.493 R189.1@202.044,107.493 ; v3(206.07,107.442) 206.121,107.391 R191.1@207.404,107.391 ; v3(211.582,107.366) 211.734,107.213 R193.1@212.915,107.213 ; v3(216.306,107.391) 216.332,107.366 R195.1@217.259,107.366 ; v3(220.167,107.467) 220.269,107.366 R225.1@221.171,107.366 ; R87.1@225.654,95.237 225.654,96.596 v3(225.679,96.622) ; v9(225.704,63.576) 225.958,63.322 R91.1@225.958,62.395 ; v3(225.704,91.059) 225.755,91.059 225.781,91.034 R130.1@225.781,89.599 ; v9(225.73,69.037) 225.73,68.085 R92.1@226.085,67.729 ; v9(225.73,74.778) 225.73,74.384 225.933,74.181 R113.1@225.933,73.317 ; v3(225.781,85.75) 225.837,85.694 R120.1@225.837,84.315 ; R66.1@225.888,51.168 225.888,52.33 v9(225.908,52.349) ; R114.1@226.066,78.803 v1(226.066,79.985)
  Top Layer w0.889: EC1.1@100.36,87.598 100.868,87.09 C1.1@103.206,87.09 C2.1@104.857,87.09 C3.1@111.842,87.09 C5.1@113.62,87.09 C6.1@115.652,87.09 C7.1@117.557,87.09 C13.1@120.732,87.09 C12.2@123.907,87.09 C15.1@127.082,87.09 C16.1@129.876,87.09 130.828,87.09 132.746,85.173 v11(132.746,82.575)
  Top Layer w1.016: C22.1@57.769,67.293 U2.4@57.769,72.059 ; C22.1@57.803,67.259 57.803,62.293 59.822,60.275 EC2.1@63.556,60.275
  Top Layer w1.27: v7(63.475,83.236) 63.475,60.356 EC2.1@63.556,60.275
  Bottom Layer w0.381: v4(18.161,78.969) 18.136,78.943 18.11,78.943 v4(18.11,95.606) v4@18.161,95.656
  Bottom Layer w0.508: 98.888,87.662 101.428,85.122 101.428,73.057 102.952,71.533 v2(104.349,71.533) ; v3(224.358,109.271) 224.358,107.417 224.384,107.391
  Bottom Layer w0.635: 18.263,86.512 v4(35.966,86.512) v4(35.966,95.91) ; v4@35.921,95.91 35.921,120.428 v2(35.921,120.555)
  Bottom Layer w0.762: v2(77.425,61.881) 77.425,58.471 80.32,55.575 102.622,55.575 104.882,57.836 130.257,57.836 132.67,60.249 v2(132.67,65.564) 132.67,76.613 132.67,82.499 v11(132.746,82.575) ; 132.79,71.889 134.727,71.889 v2(137.661,74.822) 138.734,75.895 v21(144.684,75.895) ; v1(140.899,85.96) v15@140.899,91.066 ; U9.1@159.721,100.362 163.627,104.268 163.627,106.045 164.033,106.451 178.664,106.451 179.73,107.518 v3(180.01,107.518) v3(189.763,107.518) 222.58,107.518 222.707,107.391 224.384,107.391 225.73,106.045 v9(225.73,74.778) 225.73,74.384 225.933,74.181 ; v1(225.73,46.965) v1(225.73,58.217) v9(225.73,69.037) 225.73,74.181
  Bottom Layer w0.889: v2(77.425,61.881) 77.425,94.037
  Bottom Layer w1.27: v7(63.475,83.236) 63.556,83.317 63.556,87.578 70.015,94.037 70.186,94.037
  Bottom Layer w1.397: v2@35.921,120.428 v2(40.874,120.428) 48.875,120.428 ; J2.6@48.494,130.734 48.494,120.809 48.875,120.428 ; 98.888,87.662 98.888,91.472 96.094,94.266 96.094,97.187 ; v20(126.828,97.187) 96.094,97.187 ; 48.875,120.428 50.145,120.428 53.505,117.069 68.211,117.069 70.186,115.094 70.186,94.037 77.425,94.037 81.26,94.037 84.41,97.187 v12(87.585,97.187) 96.094,97.187
  other v11: 132.644,77.216
E-L1: C112.1 J1.12 Q15.2 | length 6.3
  Top Layer w0.762: Q15.2@175.799,129.906 178.388,129.906 C112.1@178.39,129.908 181.216,129.908 J1.12@181.839,130.531
E-L2: C113.1 J1.10 Q17.2 | length 21.9
  Top Layer w0.762: Q17.2@169.728,129.906 172.14,129.906 C113.1@172.141,129.908 172.479,129.908 175.387,132.817 187.173,132.817 J1.10@189.459,130.531
ERROR_1: R177.2 U3.112 | length 68.1
  Top Layer w0.254: U3.112@124.934,82.21 124.934,84.268 125.832,85.166 127.762,85.166 128.397,85.801 128.397,85.877 128.448,85.827 v4(128.473,85.827) ; v4(132.563,89.662) 132.69,89.535 166.04,89.535 166.802,90.297 166.802,101.27 168.173,102.641 172.357,102.641 173.399,103.683 R177.2@173.399,105.258
  Bottom Layer w0.254: v4(128.473,85.827) 129.692,87.046 129.692,89.078 130.454,89.84 132.385,89.84 v4(132.563,89.662)